# KiCad board board_deltaRenumBack.kicad_pcb (continued)
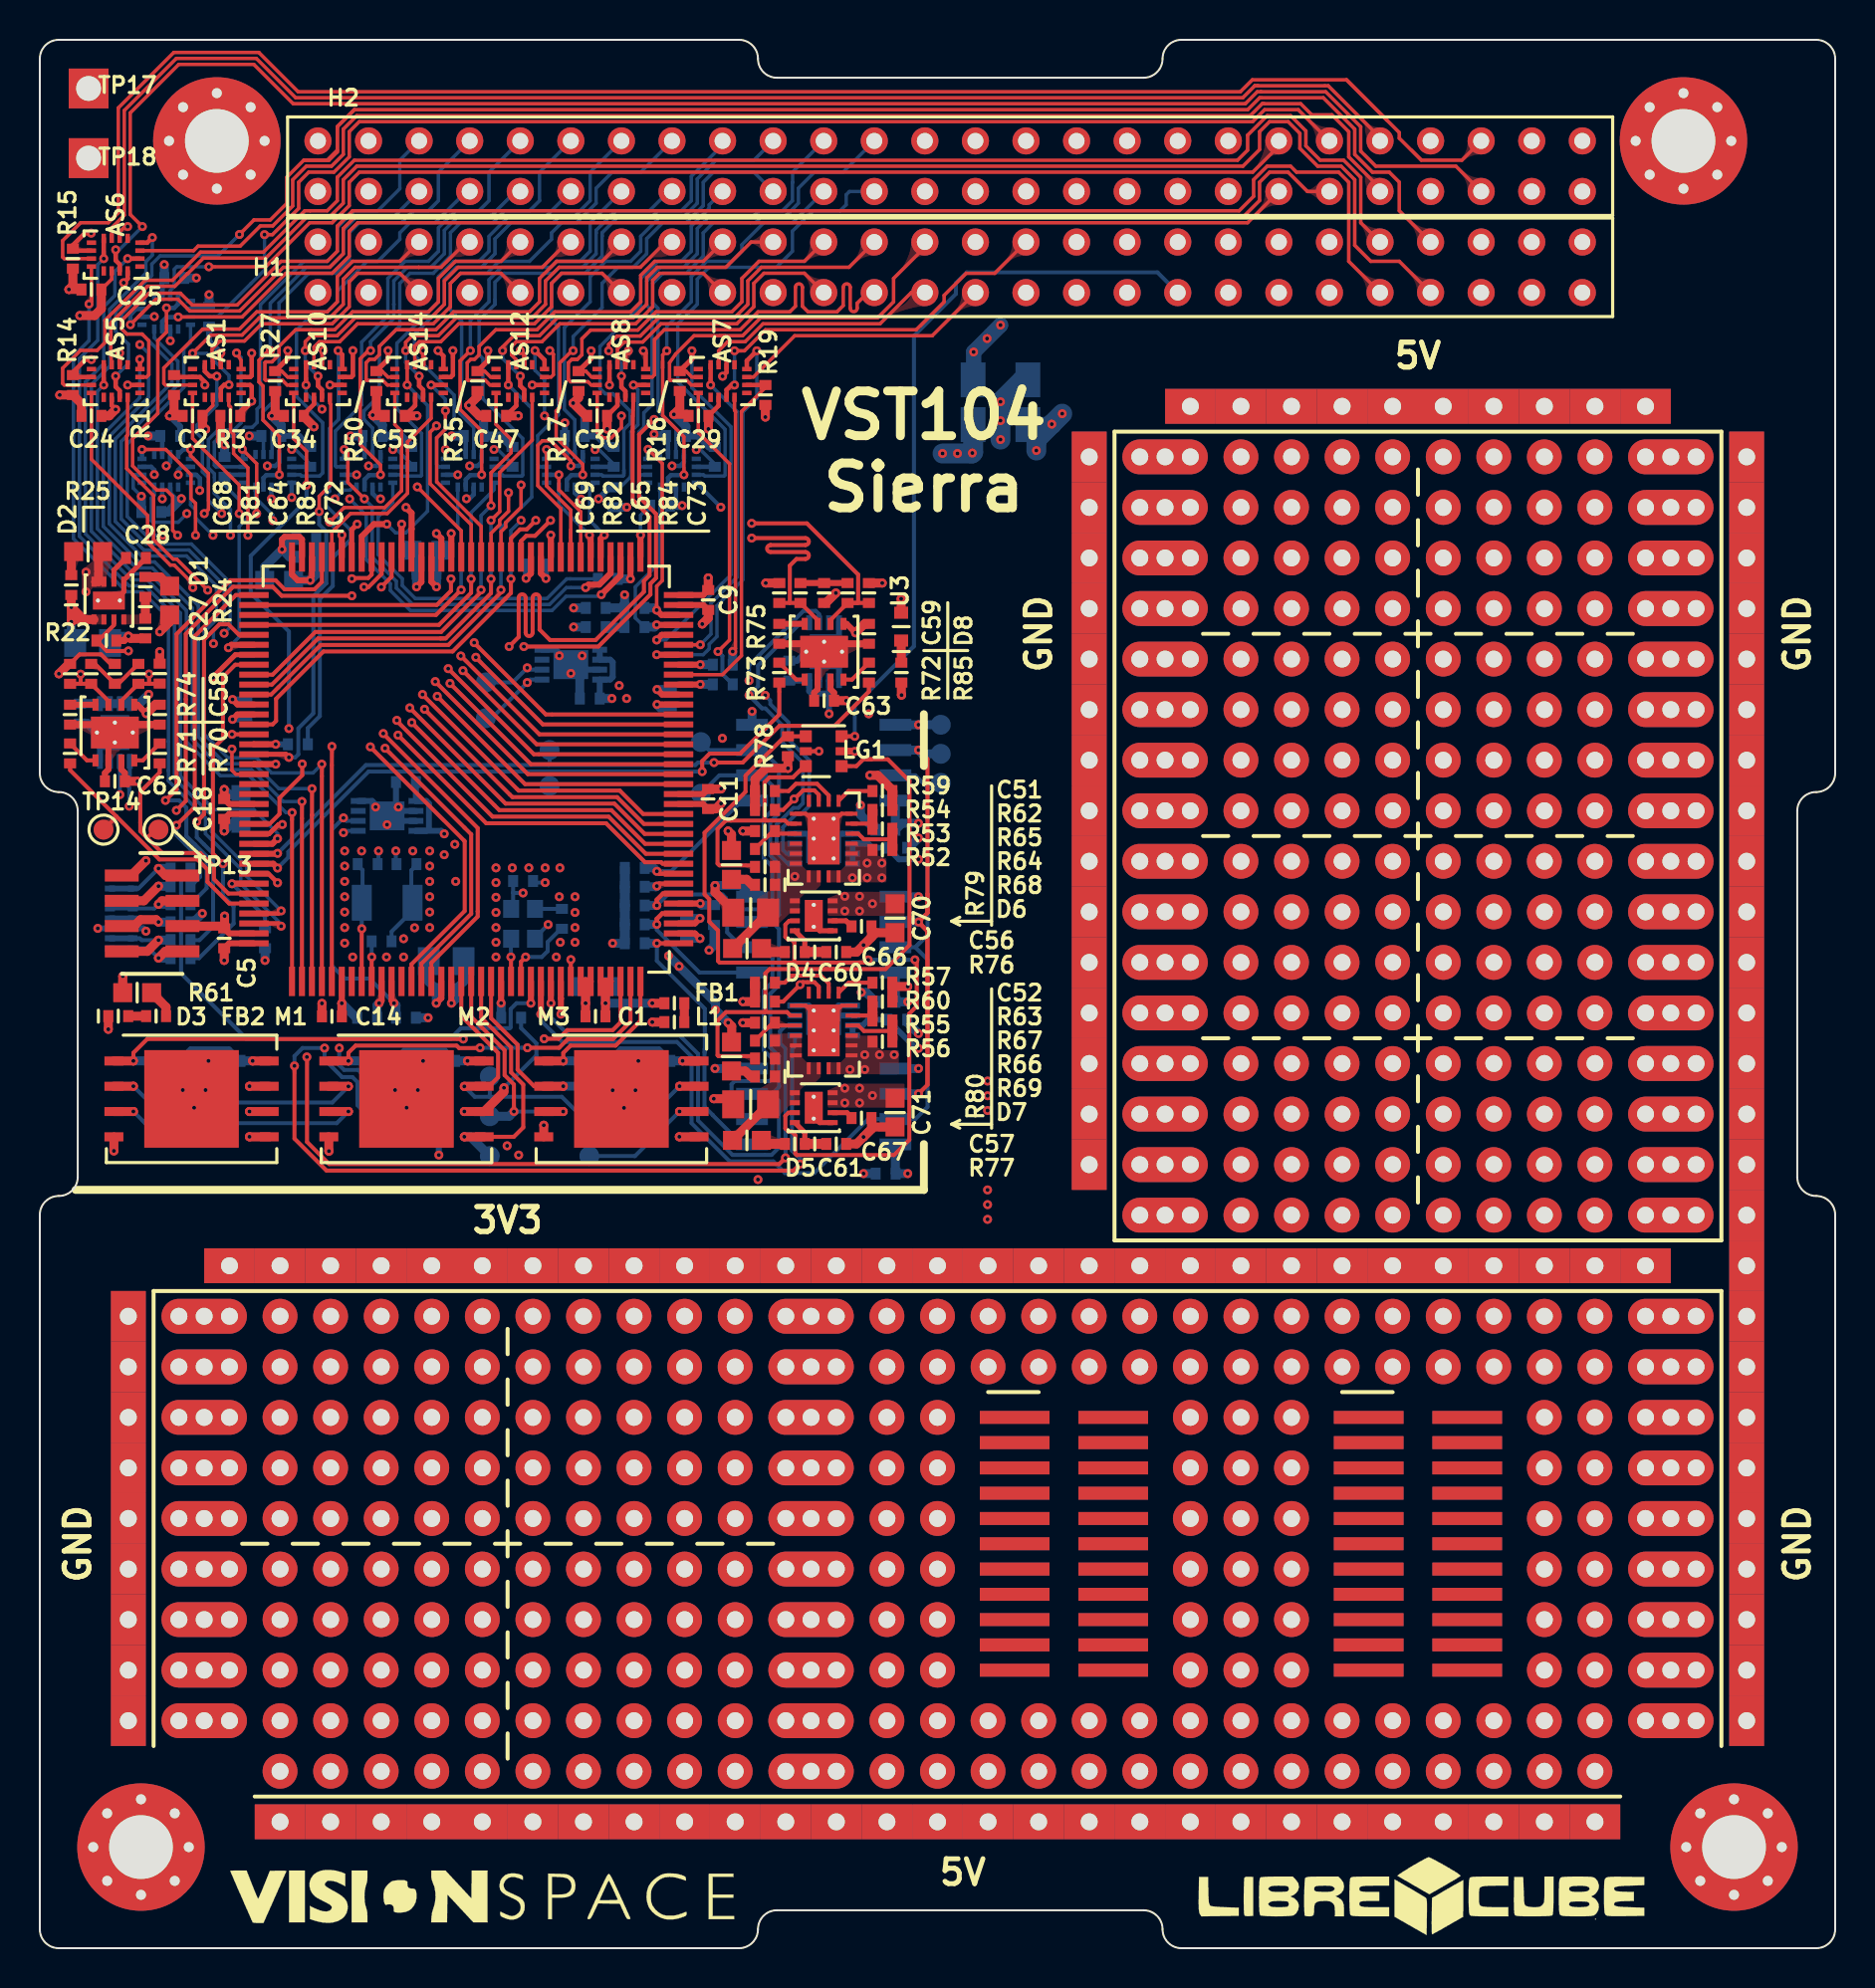
[diagram p0: board, top side]
## Routing (per net, layer and track width the routed paths; a pad name or vN(x,y) marks a point on that pad's centre or on a via; arc(x,y) is an arc through that point) (continued)
/BOOT: length 4
  Top w0.3: U1.138 9.66,53.49 v1(9.65,53.48)
  Bottom w0.2: v1(9.65,53.48) 11.31,51.82 R5.1
/CAN1_EN: length 13.7
  Top w0.2: v1(24.91,71.74) 24.46,71.29 24.12,71.29 23.67,70.84 U1.86
  Top w0.225: AS8.14 v1(29.81,78.54)
  In2.Cu w0.173: v1(24.91,71.74) 25.54,72.37 27.61,72.37 v1(28.06,72.82)
  Bottom w0.173: R20.2 29.15,73.4 29.68,73.93 29.68,76.19 30.03,76.54 30.03,78.32 v1(29.81,78.54)
  Bottom w0.3: v1(28.06,72.82) 28.64,73.4 R20.2
/CAN1_N: length 50.6
  Top w0.2: 5.49,63.53 R83.1 4.09,62.67 U2.6 ; 5.49,63.53 6.01,63.53 C72.2 ; 5.49,63.53 5.49,64.01 v1(5.48,64.02) ; uwA*****#8.1 uwA*****#7.1 ; v1(23.57,65.4) 24.05,65.88 uwA*****#8.1 ; AS8.12 29.77,76.19 29.77,72.78 30.62,71.93 30.62,68.98 30.34,68.7 30.34,68.15 27.91,65.73 25.62,65.73 25.1,66.25 uwA*****#9.1 ; uwA*****#7.1 uwA*****#9.1
  In2.Cu w0.2: v1(5.48,64.02) 5.58,64.02 7.46,62.14 7.46,61.77 10.19,59.04 17.49,59.04 23.33,64.89 23.33,65.16 v1(23.57,65.4)
/CAN1_P: length 52.2
  Top w0.2: C68.2 2.05,63.53 ; 2.05,63.53 R81.1 3.45,62.66 3.45,62.48 ; 2.05,63.53 2.05,64.01 v1(2.05,64.01) ; v1(24.31,65.4) 28.05,65.4 30.67,68.02 30.67,68.56 30.95,68.84 30.95,72.06 30.1,72.91 30.1,76.06 v1(30.85,76.81)
  Top w0.225: v1(30.31,80.26) 30.43,80.14 AS8.16
  In2.Cu w0.173: v1(30.31,80.26) 30.85,79.72 30.85,76.73 v1(30.85,76.81)
  In2.Cu w0.2: v1(24.31,65.4) 17.62,58.71 10.06,58.71 7.13,61.64 7.13,62.01 5.57,63.57 2.49,63.57 v1(2.05,64.01)
/CAN1_RX: length 12
  Top w0.2: 5.97,59.53 R70.2 6.02,59.07 5.05,58.1 5.05,56.13 5.39,55.79 ; U1.139 9.47,52.99 8.75,53.71 8.75,54.33 8.05,55.03 6.14,55.03 5.39,55.79 ; TP13.1 5.8,56.2 5.39,55.79
/CAN1_TX: length 13.6
  Top w0.2: 3.86,56.85 6.01,54.7 7.92,54.7 8.42,54.2 8.42,53.58 9.51,52.49 U1.140 ; 3.86,56.85 1.52,59.19 R71.2 ; 3.86,56.85 TP14.1
/CAN2_EN: length 12.5
  Top w0.3: U1.82 25.67,70.99 v1(25.66,71)
  In2.Cu w0.173: v1(32.97,75.29) 31.61,75.29 27.75,71.44 26.1,71.44 v1(25.66,71)
  Bottom w0.173: R21.1 33.9,74.57 33.18,75.29 v1(32.97,75.29)
  Bottom w0.225: AS9.14 R21.1
/CAN2_N: length 17.1
  Top w0.2: R84.1 39.72,66.73 U3.6 ; R84.1 C73.2 ; R84.1 41.07,67.59 41.1,67.62 41.1,69.02 38.53,71.59 v1(35.75,71.59)
  In2.Cu w0.2: v1(35.75,71.59) 32.86,74.48 31.76,74.48 v1(31.75,74.48)
  Bottom w0.225: v1(31.75,74.48) 32.15,74.48 32.35,74.67 AS9.12
/CAN2_P: length 15.4
  Top w0.2: U3.7 39.06,66.72 R82.1 C69.2 ; v1(35.75,70.85) uwA*****.1 ; uwA*****#3.1 uwA*****#2.1 ; 37.67,67.6 37.67,69.47 38,69.8 uwA*****#2.1 ; uwA*****.1 uwA*****#3.1
  In2.Cu w0.2: v1(34.2,72.4) 35.75,70.85 v1(35.75,70.85)
  Bottom w0.2: v1(34.2,72.4) 32.97,73.63 AS9.16
/CAN2_RX: length 35.4
  Top w0.2: R72.2 41.64,63.14 39.92,61.42 37.15,61.42 35.3,59.57 v1(33.86,59.57)
  Top w0.3: U1.135 11.92,54.99 v1(11.94,55.01)
  Bottom w0.2: TP15.1 25.6,59.49 ; v1(11.94,55.01) 16.37,59.44 32.93,59.44 33.05,59.57 v1(33.86,59.57)
/CAN2_TX: length 32.4
  Top w0.19: 35.17,60.02 35.2,60.05
  Top w0.2: R73.2 37.14,61.99 35.17,60.02 35.16,60.02 ; 35.16,60.02 35.17,60.02 ; 35.16,60.02 33.64,60.02 33.27,59.65 v1(33.27,59.12)
  Top w0.3: v1(11.94,54.27) 11.72,54.49 U1.136
  Bottom w0.2: v1(33.27,59.12) 16.51,59.12 12.48,55.09 12.48,54.81 v1(11.94,54.27) ; TP16.1 25.6,59.03
/CL: length 45.6
  Top w0.2: 44.58,52.96 44.58,52.18 ; 44.58,52.96 44.58,52.01 ; 44.58,52.96 44.58,59.75 v1(44.13,60.2) ; 44.58,52.18 44.58,52.02 44.12,51.56 44.58,51.1 44.58,50.87 ; 44.58,52.18 44.58,52.01 ; 44.58,51.11 44.58,50.87 ; 44.58,51.11 v1(44.13,51.56) 44.58,52.01 ; 44.58,51.11 44.58,43.38 ; 44.58,50.87 44.58,43.38 ; v1(44.13,42.93) 44.58,43.38
  In2.Cu w0.2: v1(33.61,50.14) 33.97,50.5 40.77,50.5 41.12,50.85 43.42,50.85 v1(44.13,51.56)
  Bottom w0.2: 44.12,51.56 44.12,51.56 ; TP8.1 45.23,60.01 ; 33.87,51.4 R12.1
  Bottom w0.45: v1(44.13,51.56) 42.97,51.56 M5.6 ; R12.1 33.86,50.39 v1(33.61,50.14) ; M6.6 44.13,42.93 v1(44.13,42.93) ; TP8.1 44.32,60.01 v1(44.13,60.2) 44.13,60.2 M4.6
/CLK: length 37.5
  Top w0.45: v1(21.32,42.04) 21.32,42.04 22.31,42.04 23.31,43.03 v1(23.31,43.23) ; v1(10.53,42.04) 10.53,42.04 M1.6 ; M3.6 32.13,42.04 v1(32.13,42.04)
  In2.Cu w0.2: v1(32.13,42.04) 31.86,41.77 27.22,41.77 26.5,42.49 21.77,42.49 v1(21.32,42.04) 21.06,41.78 16.43,41.78 15.72,42.49 10.98,42.49 v1(10.53,42.04)
  Bottom w0.2: R7.2 24.17,46.23 24.94,45.46 24.94,44.86 v1(23.31,43.23) ; v1(32.13,42.04) 29.89,39.8 TP3.1 27.8,39.8
/CPU_EN: length 20.7
  Top w0.173: R16.1 32.45,79.24 32.75,78.94 AS7.6
  Top w0.25: R16.1 32.75,79.85 v1(32.75,80.26)
  Top w0.3: U1.68 31.24,65.99 v1(30.98,65.73)
  Bottom w0.173: v1(32.75,80.26) 32.75,78.41 34.71,76.44 34.71,69.01 31.44,65.73 v1(30.98,65.73)
/EF1_CUR: length 20.3
  Top w0.2: R62.2 37.33,57.19 v1(37.88,57.74) 37.9,57.74 38.34,58.18 38.9,58.18 39.12,57.96 EF1.19 ; v1(26.67,49.67) 26.67,49.67 U1.29
  In2.Cu w0.2: v1(26.67,49.67) 28.62,49.67 30.53,51.58 30.53,54.43 31.75,55.64 35.78,55.64 v1(37.88,57.74)
/EF1_en: length 12.2
  Top w0.2: 36.43,56.66 37.43,56.66 37.58,56.5 EF1.2 ; 36.43,56.66 34.46,56.66 34.04,56.24 34.04,54.5 34.13,54.41 35.84,54.41 R68.2 ; 36.43,56.66 36.4,56.69 36.4,58.58 36.65,58.83 37.83,58.83 38.39,59.39 LG1.6
/EF1_out: length 10.2
  Top w0.2: 34.51,50.17 34.51,50.57 ; LG1.5 v1(39.13,60.14)
  Top w0.45: C56.2 36.58,52.01 34.96,50.39 34.96,50.36
  In2.Cu w0.2: v1(37.92,53.85) 38.33,54.26 38.33,59.34 v1(39.13,60.14)
/EF2_CUR: length 17.3
  Top w0.2: EF2.19 39.12,48.32 38.9,48.54 38.31,48.54 v1(38.18,48.41) 37.34,47.57 37.34,47.56 R63.2
  Top w0.3: U1.28 26.17,47.73 26.17,47.72 26.17,46.93 v1(26.17,46.93)
  In2.Cu w0.2: v1(26.17,46.93) 27.65,48.41 v1(38.18,48.41)
/EF2_en: length 30.8
  Top w0.2: 36.4,47.03 36.44,47.07 36.44,48.99 36.65,49.2 39.15,49.2 ; 36.4,47.03 34.46,47.03 34.04,46.61 34.04,44.87 34.08,44.82 35.8,44.82 R69.2 ; 36.4,47.03 37.53,47.03 37.7,46.86 EF2.2 ; 39.15,49.2 42.48,49.2 43.68,50.39 43.68,58.65 42.59,59.73 41.76,59.73 ; 39.15,49.2 39.84,49.2 ; 41.54,59.73 41.76,59.73 ; 41.76,59.73 41.36,59.73 41.01,59.39 LG1.1
/EF2_out: length 2.5
  Top w0.45: R77.2 36.58,42.38 C57.2
/FAULT: length 13.5
  Top w0.173: v1(34.8,65.15) 34.94,65.29 34.94,77.22 34.89,77.27 AS7.12
  Bottom w0.45: R9.2 v1(34.8,65.15)
/GLO_EN: length 18.6
  Top w0.173: R19.1 36.44,78.41 35.24,77.21 35.24,64.94 34.29,63.99 U1.64
  Top w0.225: R19.1 AS7.14
/HD: length 50
  Top w0.2: 25.17,47.5 U1.26
  Top w0.3: v1(25.16,46.93) 25.17,46.94 U1.26
  Bottom w0.2: 44.58,58.32 43.97,58.93 M4.7 ; 44.58,58.32 45.02,58.32 TP12.1 ; 44.58,58.32 44.58,50.9 43.97,50.29 ; 43.97,50.29 44.57,50.89 ; 43.97,50.29 44.58,49.68 44.58,42.27 43.97,41.66 M6.7 41.6,41.66 38.89,38.95 37.42,38.95 36.84,39.53 34.65,39.53 32.73,41.45 32.73,44.8 31.99,45.53 26.24,45.53 25.16,46.61 v1(25.16,46.93) ; 43.97,50.29 M5.7
/I2C2_EN: length 11.5
  Top w0.2: v1(9.65,60.99) 10.75,60.99 U1.123 ; Q1.3 3.72,66.48 2.94,65.7 R22.1 3.37,65.17 4.27,65.17 4.28,65.18 v1(4.45,65.18) 4.35,65.18
  In2.Cu w0.2: v1(9.65,60.99) 9.5,60.99 5.31,65.18 v1(4.45,65.18)
/I2C2_SCL: length 126.2
  Top w0.19: v1(36.43,62.95) 36.36,62.95
  Top w0.2: v1(37.45,39.71) 37.14,39.4 14.53,39.4 13.42,40.51 13.42,44.77 v1(13.41,44.78)
  Top w0.3: v1(17.79,47.48) 17.67,47.6 U1.11
  In2.Cu w0.2: v1(36.43,62.95) 35.69,63.69 v1(35.62,63.69) 34.98,63.05 32.32,63.05 31.35,64.02 30.59,64.02 29.79,64.81 28.03,64.81 27.45,65.39 25.54,65.39 v1(24.48,64.33) 24.48,64.26 24.03,63.81 24.03,63.6 18.54,58.12 16.51,58.12 15.25,56.85 v1(15.25,56.79) ; v1(17.79,47.48) 15.54,45.23 v1(15.04,45.23) 14.59,44.77 13.42,44.77 v1(13.41,44.78) 13.07,45.12 10.8,45.12 7.38,48.54 7.38,53.5 4.02,56.86 v1(4.02,57.96)
  Bottom w0.19: v1(36.43,62.95) 36.69,62.69 36.69,62.51 37.6,61.59 37.6,60.73 38.64,59.68 38.64,57.39 38.23,56.98 37.98,56.98 37.32,56.32 37.32,55.17 37.5,54.99 TS6.2
  Bottom w0.2: v1(4.02,57.96) TS7.2 ; TS4.2 24.57,64.24 v1(24.48,64.33) 23.75,63.6 TP1.1 ; v1(37.45,39.71) 37.45,39.71 37.45,45.2 37.17,45.47 37.17,46.08 37.46,46.36 TS3.2 ; v1(35.62,63.69) 35.62,64.45 38.36,67.19 38.97,67.19 39.14,67.02 TS5.2 ; TS1.2 16.39,42.42 16.36,42.45 16.36,43.75 15.99,44.13 15.28,44.13 15.04,44.37 v1(15.04,45.23) ; v1(17.79,47.48) 16.55,48.72 15.31,48.72 14.65,49.38 14.65,56.19 v1(15.25,56.79) 15.4,56.64 TS2.2
  Bottom w0.45: v1(17.79,47.48) 17.89,47.38 R23.2
/I2C2_SDA: length 130.2
  Top w0.2: v1(12.79,44.33) 12.79,40.68 14.4,39.07 37.86,39.07 v1(38.19,39.4)
  Top w0.3: U1.10 17.17,47.61 v1(17.04,47.48)
  In2.Cu w0.2: 29.66,64.48 26.9,64.48 ; 29.66,64.48 30.45,63.69 ; 29.66,64.48 30.45,63.69 ; 29.66,64.48 26.9,64.48 ; 26.9,64.48 26.89,64.5 26.33,64.5 26.31,64.48 25.81,64.48 25.78,64.51 25.4,64.51 v1(24.48,63.59) 18.68,57.79 16.65,57.79 15.8,56.94 15.8,56.6 v1(15.25,56.05) 15.05,56.05 14.65,55.65 14.65,49.39 15.32,48.72 15.8,48.72 v1(17.04,47.48) 15.24,45.68 14.75,45.68 v1(14.3,45.23) 14.08,45.45 10.94,45.45 7.71,48.68 7.71,53.91 4.49,57.13 v1(4.49,57.38) ; 30.45,63.69 31.22,63.69 32.19,62.72 35.39,62.72 v1(35.62,62.95)
  Bottom w0.19: 36.28,62.29 36.44,62.29 37.28,61.45 37.28,60.6 38.33,59.55 38.33,57.53 38.09,57.29 37.85,57.29 37.01,56.45 37.01,55.04 37.55,54.49 TS6.1 ; 36.28,62.29 36.05,62.52 ; 36.28,62.29 v1(35.62,62.95)
  Bottom w0.2: v1(4.49,57.38) 4.49,58.33 4.43,58.39 4.43,58.85 4.52,58.94 TS7.1 ; v1(12.79,44.33) 12.79,44.82 13.2,45.23 14.3,45.23 v1(14.3,45.23) 14.3,44.65 15.18,43.77 15.7,43.77 15.95,43.52 15.95,42.36 16.39,41.92 TS1.1 ; 36.05,62.52 v1(35.62,62.95) 36.07,63.4 36.07,64.44 38.22,66.59 TS5.1 ; TP2.1 22.69,61.8 v1(24.48,63.59) 24.63,63.74 TS4.1 ; TS3.1 37.92,45.31 37.78,45.17 37.78,40.07 38.19,39.66 v1(38.19,39.4) ; v1(15.25,56.05) 15.34,56.14 TS2.1
  Bottom w0.45: v1(17.04,47.48) 16.94,47.38 R26.2
/I2C3_EN: length 18.8
  Top w0.173: AS8.6 27.72,78.94 27.42,79.24 R17.1
  Top w0.2: U1.85 24.17,70.7 24.43,70.96 24.87,70.96 v1(25.65,71.74)
  Top w0.25: R17.1 27.69,79.87 v1(27.69,80.26)
  In2.Cu w0.173: v1(27.69,80.26) 28.13,79.82 29.6,79.82 30.55,78.87 30.55,77.9 29.68,77.04 29.68,73.79 27.63,71.74 v1(25.65,71.74)
/I2C3_SCL: length 22.2
  Top w0.225: AS8.4 v1(28.61,78.54)
  Top w0.3: U1.92 20.67,71.07 v1(20.66,71.08)
  In2.Cu w0.173: v1(28.61,78.54) 26.25,78.54 24.91,77.2 24.91,73.19 23.4,71.68 23.4,71.41 ; 23.4,71.41 22.99,71 20.74,71 v1(20.66,71.08) ; 23.4,71.41 23.8,71 24.31,71 26.16,69.15 26.16,67.99 v1(26.81,67.34)
  Bottom w0.45: R40.2 v1(26.81,67.34)
/I2C3_SDA: length 34.8
  Top w0.173: AS8.8 27.99,76.18 28.28,75.89 28.7,75.89 29.21,76.4 v1(29.21,76.99)
  Top w0.3: v1(19.92,71.08) 20.17,70.83 U1.93
  In2.Cu w0.173: v1(26.81,66.38) 25.86,67.33 25.86,69.03 24.25,70.64 20.36,70.64 v1(19.92,71.08) 20.36,71.52 20.87,71.52 21.09,71.3 22.87,71.3 23.1,71.53 23.1,71.8 24.61,73.31 24.61,77.32 26.71,79.42 29.57,79.42 30.25,78.75 30.25,78.03 v1(29.21,76.99)
  Bottom w0.45: R39.2 v1(26.81,66.38)
/I2C4_EN: length 4.9
  Top w0.3: U1.73 30.17,71 v1(30.17,71)
  Bottom w0.173: AS9.6 30.2,74.03 30.09,73.91 30.09,73.04 R18.1 30.17,72 v1(30.17,71)
/I2C4_SCL: length 9.5
  Top w0.3: U1.69 30.98,66.49 v1(30.98,66.49)
  Bottom w0.173: R42.2 29.91,66.84 29.91,68.4 31.15,69.64 AS9.4
  Bottom w0.45: v1(30.98,66.49) 30.87,66.38 R42.2
/I2C4_SDA: length 10.8
  Top w0.173: v1(30.98,67.23) 30.98,68.43 31.26,68.71 31.26,74.6 v1(30.55,75.31)
  Top w0.3: U1.70 31.22,66.99 v1(30.98,67.23)
  Bottom w0.225: AS9.8 30.53,75.29 v1(30.55,75.31)
  Bottom w0.45: R41.2 30.87,67.34 v1(30.98,67.23)
/MODE: length 16.5
  Top w0.173: v1(33.17,65.49) 33.17,65.49 U1.67
  Top w0.225: AS7.4 v1(33.69,78.54)
  Bottom w0.173: v1(33.69,78.54) 35.01,77.22 35.01,68.88 33.71,67.58 33.71,66.03 v1(33.17,65.49)
/OSC32_IN: length 6
  Top w0.2: U1.8 16.17,51.22 v1(16.17,51.22)
  Bottom w0.2: v1(16.17,51.22) Y1.1 16.21,52.57 16.21,54.17 15.97,54.41 C49.1
/OSC32_OUT: length 2
  Top w0.2: U1.9 16.67,49.8 v1(16.67,49.8)
  Bottom w0.2: v1(16.67,49.8) 16.67,49.8 R49.2
/OSC_EN: length 4
  Top w0.2: U1.24 24.17,49.57 v1(24.4,49.8)
  Bottom w0.2: R58.1 26.17,51.22 25.5,50.55 25.5,50.1 25.21,49.8 v1(24.4,49.8)
/OSC_IN: length 2.2
  Top w0.2: v1(23.66,49.8) 23.67,49.79 U1.23
  Bottom w0.2: 23.67,49.81 v1(23.66,49.8) 23.66,50.71 Y2.3
/Q0: length 36.6
  Top w0.2: 22.31,40.77 23.81,40.77 24.28,41.24 24.28,43.39 23.67,44 23.67,45.25 22.17,46.76 U1.20
  Top w0.45: v1(32.12,40.77) 32.12,40.77 M3.5 ; 22.31,40.77 21.32,40.77 v1(21.32,40.77) ; M1.5 10.53,40.77 v1(10.53,40.77)
  In2.Cu w0.2: v1(32.12,40.77) v1(21.32,40.77) v1(10.53,40.77)
  Bottom w0.45: v1(21.32,40.77) 21.63,40.77 TP4.1
/Q1: length 34.4
  Top w0.2: U1.21 22.67,46.72 24,45.39 24,44.14 24.83,43.31 M3.2
  Top w0.45: M3.2 26.29,43.31 v1(26.29,43.31) ; v1(15.5,43.3) 15.49,43.31 M2.2 ; v1(4.7,43.31) 4.7,43.31 M1.2
  In2.Cu w0.2: v1(15.5,43.3) 16.1,43.9 25.7,43.9 v1(26.29,43.31)
  Bottom w0.2: v1(4.7,43.31) 6.23,41.78 8.33,41.78 9.04,42.49 14.69,42.49 v1(15.5,43.3)
  Bottom w0.45: TP5.1 27.29,43.31 v1(26.29,43.31)
/Q2: length 34.2
  Top w0.2: U1.19 21.67,46.8 23.34,45.12 23.34,43.86 23.81,43.4 v1(23.81,42.04)
  Top w0.45: v1(4.7,42.04) 4.7,42.04 M1.3 ; v1(15.5,42.04) 15.5,42.04 M2.3 ; M3.3 v1(26.29,42.04)
  In2.Cu w0.2: v1(23.81,42.04) 23.22,41.45 16.09,41.45 v1(15.5,42.04)
  Bottom w0.2: v1(15.5,42.04) 14.91,41.45 5.29,41.45 v1(4.7,42.04) ; v1(23.81,42.04) v1(26.29,42.04)
  Bottom w0.45: TP6.1 23.57,41.8 v1(23.81,42.04)
/Q3: length 33.9
  Top w0.2: U1.18 21.17,46.83 23.02,44.98 23.02,43.76 22.57,43.31 22.31,43.31
  Top w0.45: 22.31,43.31 21.33,43.31 v1(21.32,43.3) ; M1.7 10.53,43.31 v1(10.53,43.31) ; M3.7 32.13,43.31 v1(32.13,43.31)
  In2.Cu w0.2: v1(10.53,43.31) 10.99,42.85 15.87,42.85 16.59,43.57 21.05,43.57 v1(21.32,43.3)
  Bottom w0.2: 22.58,42.78 26.21,42.78 27.22,41.77 30.59,41.77 v1(32.13,43.31) ; 22.58,42.78 21.84,42.78 v1(21.32,43.3) ; 22.58,42.78 22.6,42.8 TP7.1
/QSPI_~{CS}_1: length 29.8
  Top w0.2: v1(25.33,45.69) 26.06,45.69 26.49,46.13 28.77,46.13 29.17,46.52 U1.34 ; v1(21.27,45.68) 5.39,45.68 4.7,44.99 v1(4.7,44.58)
  Top w0.45: M1.1 4.7,44.58 v1(4.7,44.58)
  In2.Cu w0.2: v1(21.27,45.68) 21.28,45.69 v1(25.33,45.69)
  Bottom w0.45: R29.2 v1(4.7,44.58)
/QSPI_~{CS}_2: length 19.6
  Top w0.2: v1(22.11,45.24) 22.1,45.23 21.05,45.23 20.93,45.35 15.86,45.35 15.5,44.99 v1(15.5,44.58) ; U1.35 29.67,46.56 28.78,45.68 26.52,45.68 26.08,45.24 v1(24.49,45.24)
  Top w0.45: M2.1 15.5,44.58 v1(15.5,44.58)
  Bottom w0.2: v1(22.11,45.24) v1(24.49,45.24)
  Bottom w0.45: R30.2 v1(15.5,44.58)
/QSPI_~{CS}_3: length 9.2
  Top w0.2: U1.36 30.17,46.6 28.92,45.35 26.65,45.35 26.29,44.99 v1(26.29,44.58)
  Top w0.45: M3.1 26.29,44.58 v1(26.29,44.58)
  Bottom w0.45: R31.2 v1(26.29,44.58)
/SI: length 41.3
  Top w0.225: v1(30.99,53.36) 31.11,53.49 U1.43
  In2.Cu w0.2: v1(44.13,61.47) 44.58,61.02 44.58,53.28 v1(44.13,52.83) ; v1(44.13,52.83) 44.58,52.38 44.58,44.65 v1(44.13,44.2) ; v1(44.13,52.83) 42.48,51.18 40.99,51.18 40.68,50.87 33.97,50.87 33.54,51.29 32.74,51.29 30.99,53.05 v1(30.99,53.36)
  Bottom w0.2: 45.23,61.47 v1(44.13,61.47)
  Bottom w0.3: M5.5 43.62,52.83
  Bottom w0.45: v1(44.13,52.83) 44.13,52.83 M5.5 ; M4.5 44.13,61.47 v1(44.13,61.47) TP9.1 ; v1(30.99,53.36) 30.95,53.33 R37.2 ; M6.5 44.13,44.2 v1(44.13,44.2)
/SO: length 35.4
  Top w0.225: U1.42 31.3,52.99 30.99,52.68 v1(30.99,52.39)
  Bottom w0.2: M4.2 34.13,58.93 TP10.1 ; M4.2 36.27,58.93 ; M4.2 36.27,58.93 36.8,58.4 36.8,57.18 36.36,56.74 36.36,54.77 36.8,54.33 36.8,52.35 36.65,52.2 34.9,52.2 ; M5.2 35.27,50.29 34.52,51.04 34.52,51.82 34.9,52.2 ; M5.2 36.27,50.29 36.8,49.76 36.8,48.54 36.36,48.1 36.36,45.12 36.8,44.68 36.8,43.71 36.65,43.57 34.91,43.57 34.74,43.41 34.74,42.21 35.29,41.66 M6.2 ; M5.2 36.27,50.29 ; 34.9,52.2 34.45,52.65 34.45,52.78 34.29,52.94 31.54,52.94 v1(30.99,52.39)
  Bottom w0.45: R38.2 v1(30.99,52.39)
/SPI1_~{CS}_1: length 8.1
  Top w0.225: v1(30.99,54.11) 31.11,53.99 U1.44
  Bottom w0.2: M4.1 35.26,57.66 31.71,54.11 v1(30.99,54.11)
  Bottom w0.45: v1(30.99,54.11) 30.82,54.28 R32.2
/SPI1_~{CS}_2: length 8.1
  Top w0.225: v1(30.99,51.44) 30.99,51.72 31.26,51.99 U1.40
  Bottom w0.2: M5.1 33.13,49.02 30.99,51.16 v1(30.99,51.44) ; R33.2 30.43,51.44
  Bottom w0.45: R33.2 v1(30.99,51.44)
/SPI1_~{CS}_3: length 14.3
  Top w0.2: v1(30.99,50.49) 30.99,50.49 U1.37
  Bottom w0.2: 33.39,45.01 33.39,42.27 33.79,41.87 33.79,41.86 35.26,40.39 M6.1 ; 33.39,45.01 33.39,45.19 ; 33.39,45.01 33.4,45.03 33.4,47.2 30.99,49.61 v1(30.99,50.49)
  Bottom w0.45: R34.2 v1(30.99,50.49)
/SPI1_~{WP}: length 46.9
  Top w0.3: U1.27 25.67,47.48 v1(25.67,47.48)
  Bottom w0.173: 26.45,46 25.67,46.78 v1(25.67,47.48)
  Bottom w0.2: M5.3 36.77,51.56 ; 36.77,51.56 37.12,51.21 37.12,48.39 36.68,47.95 36.68,45.25 37.12,44.82 37.12,44.82 37.12,43.28 36.77,42.93 ; 36.77,51.56 37.12,51.92 37.12,54.46 36.68,54.9 36.68,56.59 37.12,57.03 37.12,59.35 36.27,60.2 M4.3 33.6,60.2 TP11.1 ; v1(25.67,47.48) 25.67,46.76 26.57,45.86 32.13,45.86 33.06,44.93 33.06,41.59 34.79,39.86 36.75,39.86 37.12,40.23 37.12,42.57 36.77,42.92 36.77,42.93 ; M6.3 36.77,42.93
/SPI2_CS1: length 7.7
  Top w0.3: U1.96 18.67,71.3 18.67,71.31 18.67,72.11 v1(18.39,72.39)
  In2.Cu w0.173: v1(18.39,72.39) 18.39,72.38 15.26,72.38 v1(14.82,72.82)
  Bottom w0.173: AS11.4 15.73,73.41 15.58,73.26 15.26,73.26 v1(14.82,72.82)
/SPI2_CS2: length 38.2
  Top w0.2: U1.53 24.37,58.49 v1(19.96,62.9)
  Top w0.225: AS1.4 8.29,79.23 8.54,78.98 v1(8.89,78.98)
  In2.Cu w0.173: v1(9.14,72.08) 9.14,70.79 14.26,65.67 14.26,65.66 14.33,65.59 14.51,65.41 17.45,65.41 v1(19.96,62.9)
  Bottom w0.17: 8.47,73.68 8.47,73.68 8.47,72.75 v1(9.14,72.08)
  Bottom w0.173: v1(8.89,78.98) 8.89,77.53 7.89,76.53 7.89,76.12 8.17,75.84 8.17,74.18 8.47,73.88 8.47,73.68
/SPI2_EN: length 12.4
  Top w0.173: v1(18.96,73.42) 21.17,71.21 U1.91
  In2.Cu w0.173: v1(15.91,74.03) 15.91,74.52 16.68,75.29 v1(17.73,75.29) 18.96,74.06 v1(18.96,73.42)
  Bottom w0.173: v1(17.73,75.29) 17.94,75.29 18.66,74.57 R28.1
  Bottom w0.225: AS11.6 v1(15.91,74.03) ; AS11.14 R28.1
/SPI2_MISO: length 22.2
  Top w0.3: U1.75 29.17,68.98 v1(28.2,68.01)
  In2.Cu w0.173: v1(15.56,72.82) 16.51,73.77 v1(16.51,74.48)
  Bottom w0.173: v1(28.2,68.01) 28.11,67.92 26.43,67.92 25.72,67.21 18.61,67.21 17.61,68.22 17.61,68.56 16.39,69.77 16.39,71.99 v1(15.56,72.82)
  Bottom w0.225: AS11.12 17.11,74.67 16.91,74.48 v1(16.51,74.48)
/SPI2_MOSI: length 21.1
  Top w0.173: v1(15.29,75.3) 15.47,75.12 15.47,73.65 v1(16.3,72.82)
  Top w0.3: v1(27.41,68.36) 27.56,68.51 28.1,68.51 28.67,69.08 U1.76
  Bottom w0.173: v1(16.3,72.82) 16.69,72.43 16.69,69.9 17.91,68.68 17.91,68.34 18.74,67.51 25.6,67.51 26.45,68.36 v1(27.41,68.36)
  Bottom w0.225: AS11.8 15.29,75.3 v1(15.29,75.3)
/SPI2_SCK: length 16.5
  Bottom w0.173: AS11.16 17.73,72.65 16.99,71.91 16.99,70.02 18.21,68.8 18.21,68.46 18.86,67.81 25.47,67.81 26.46,68.8 R13.1
/SPI3_CS1: length 14.7
  Top w0.225: AS10.4 v1(13.37,78.54)
  Top w0.3: v1(18.17,71.55) 18.17,71.55 U1.97
  In2.Cu w0.173: v1(18.17,71.55) 18.49,71.55 19.4,72.46 19.4,74.99 16.84,77.55 14.4,77.55 v1(14.17,77.33)
  Bottom w0.173: v1(14.17,77.33) 13.37,78.13 v1(13.37,78.54)
/SPI3_CS2: length 27.9
  Top w0.2: v1(21.14,64.93) 21.19,64.88 21.2,64.88 25.09,60.99 U1.58
  In2.Cu w0.173: v1(21.14,64.93) 19.16,66.91 15.21,66.91 14.51,67.62 14.51,69.35 12.12,71.73 v1(11.7,71.73)
  Bottom w0.173: v1(11.7,71.73) 11.7,72.01 10.83,72.88 AS2.4
/SPI3_EN: length 20
  Top w0.173: U1.90 21.67,71.52 19.6,73.58 19.6,76.17 v1(19.92,76.49) ; R27.1 12.15,79.24 12.45,78.94 AS10.6
  Top w0.225: AS10.14 v1(14.57,78.54)
  Top w0.25: v1(12.45,80.27) 12.45,79.87 R27.1
  In2.Cu w0.173: v1(12.45,80.27) 12.89,79.83 13.77,79.83 14.57,79.04 v1(14.57,78.54) 17.73,78.54 18.84,77.43 19.15,77.43 19.92,76.66 v1(19.92,76.49)
/SPI3_MISO: length 21.3
  Top w0.173: AS10.12 14.57,77.62 14.61,77.58 14.61,73.53 14.03,72.95 v1(14.03,72.18)
  Top w0.25: U1.125 12.35,59.99 v1(12.51,59.83)
  Bottom w0.2: v1(14.03,72.18) 14.03,71.54 14.39,71.18 14.39,68.58 13.74,67.93 13.74,62.04 12.98,61.29 12.98,59.98 12.83,59.83 v1(12.51,59.83)
/SPI3_MOSI: length 22.3
  Top w0.173: AS10.8 12.75,75.85 13.4,75.2 v1(13.4,73.51)
  Top w0.3: U1.126 10.76,59.49 v1(11.85,59.49)
  In2.Cu w0.2: v1(11.85,59.49) 11.85,59.82 12.51,60.48 v1(12.51,61.28)
  Bottom w0.2: 13.41,73.5 v1(13.4,73.51) 13.4,72.76 10.59,69.95 10.59,68.07 12.51,66.16 v1(12.51,61.28)
/SPI3_SCK: length 28
  Top w0.225: v1(14.98,80.27) 15.19,80.06 AS10.16
  Bottom w0.173: 15.01,77.98 15.01,76.82 ; 15.01,77.98 15.01,80.24 ; 15.01,77.98 15.01,78.33 ; 15.01,76.82 14.55,76.35 14.55,73.2 14.38,73.03 14.38,72.48 15.61,71.25 15.61,70.77 14.71,69.88 ; 15.01,76.82 15.01,80.24 ; 15.01,80.24 v1(14.98,80.27)
  Bottom w0.2: R6.2 13.46,61.31 14.06,61.91 14.06,67.79 14.71,68.44 14.71,69.88 15.62,70.78 15.62,71.2 15.59,71.23
/SYNC: length 21
  Top w0.225: v1(36.01,80.26) 35.51,79.76 AS7.16
  Top w0.3: U1.66 30.98,64.99 v1(30.98,64.99)
  Bottom w0.173: v1(30.98,64.99) 33.32,64.99 33.62,65.29 33.62,65.52 34.01,65.9 34.01,67.45 35.31,68.76 35.31,77.18 36.01,77.88 v1(36.01,80.26)
/TEMP_VDD: length 161.2
  Top w0.45: R25.1 2.95,69.97 2.95,68.66 2.8,68.66
  In2.Cu w0.45: 22.86,39.86 v1(23.47,40.31) v1(24.05,39.85) ; v1(24.05,39.85) 24.05,39.85 v1(20.04,39.85) ; v1(24.05,39.85) 25.28,38.62 v1(36.07,38.62) ; v1(28.73,62.79) v1(29.1,63.44) v1(29.47,62.79) ; v1(28.73,62.79) 26.08,60.14 23.63,60.14 20.31,56.82 v1(20.31,55.99) ; v1(28.73,62.79) v1(29.47,62.79) ; v1(29.47,62.79) 30.7,61.56 36.13,61.56 36.58,62.02 v1(39.64,62.02) ; v1(20.31,55.99) v1(20.84,55.46) v1(20.31,54.94) v1(20.31,55.99) ; v1(41.63,62.02) 43.55,60.1 43.55,55.29 v1(44.13,54.71)
  In3.Cu w0.45: v1(24.05,39.85) v1(23.47,40.31) 22.69,41.1 22.69,46.32 20.31,48.69 v1(20.31,54.94) ; 20.09,66.8 20.03,66.74 ; 20.09,66.8 20.01,66.72 7.65,66.72 ; 20.09,66.8 20.53,67.24 25.13,67.24 26.57,65.8 27.22,65.8 29.1,63.93 v1(29.1,63.44) ; v1(29.1,63.44) v1(29.47,62.79) v1(28.73,62.79) v1(29.1,63.44) ; v1(44.13,45.21) 44.71,44.63 44.71,42.65 41.55,39.5 39.14,39.5 38.26,38.62 v1(36.07,38.62) ; v1(2.32,69.14) 2.32,68.15 v1(2.32,68.15) ; 7.01,66.72 7.33,66.4 7.33,66.4 ; 7.01,66.72 7.65,66.72 ; 7.01,66.72 3.06,66.72 2.32,67.46 2.32,68.22 ; 7.65,66.72 7.33,66.4 ; 7.33,66.4 7.33,63.53 6.8,63 v1(5.47,63) ; v1(20.31,54.94) 20.83,55.46 v1(20.84,55.46) 20.84,55.46 v1(20.31,55.99) v1(20.31,54.94) ; v1(39.64,62.02) v1(41.63,62.02)
  Bottom w0.3: C46.1 TS7.5 TS7.6 TS7.7 TS7.8 5,62.53 ; 39.64,62.98 39.58,63.04 38.77,63.04 38.64,63.17 TS5.8 C38.1 ; 39.64,62.98 TS5.6 39.65,63.68 ; 39.64,62.98 v1(39.64,62.02) ; 20.04,39.85 v1(20.04,39.85) C32.1 20.04,41.41 19.87,41.58 TS1.8 ; 41.61,55.49 TS6.6 ; TS6.8 TS6.7 TS6.6 ; v1(44.13,54.71) 43.15,54.71 C45.1 ; v1(20.31,55.99) 20.16,56.14 TS2.8 19.41,56.14 ; C37.2 TS4.8 28.64,63.74 28.77,63.87 28.77,64.61 28.64,64.74 TS4.6 TS4.5 ; v1(44.13,45.21) 44.01,45.21 C36.1 41.61,46.65 41.32,46.36 TS3.7 TS3.8 ; C45.1 41.81,55.29 41.61,55.49 TS6.6 ; C45.1 42.47,55.19 ; C33.1 TS2.5 19.41,57.64 19.54,57.51 19.54,56.27
  Bottom w0.45: C37.2 v1(28.73,62.79) ; C46.1 5,62.53 v1(5.47,63)
/UART1_CTS: length 12.2
  Top w0.173: 14.63,71.73 15.28,72.38 17.32,72.38 18.17,73.23 18.17,76.22 17.83,76.55 AS14.8 ; 14.63,71.73 v1(14.55,71.65) ; 14.63,71.73 14.6,71.7
  Top w0.3: U1.103 15.17,71 v1(15.17,71)
  Bottom w0.173: v1(14.55,71.65) 14.55,71.62 v1(15.17,71) 14.6,71.57
/UART1_EN: length 16.2
  Top w0.173: R50.1 17.18,79.24 17.48,78.94 AS14.6 ; v1(20.37,77.25) 20.37,76.32 19.93,75.88 19.93,73.68 22.17,71.44 U1.89
  Top w0.225: AS14.14 v1(19.65,78.54)
  Top w0.25: R50.1 17.49,79.83 v1(17.49,80.27)
  In2.Cu w0.173: v1(17.49,80.27) 18.34,79.42 19.26,79.42 19.65,79.04 v1(19.65,78.54)
  Bottom w0.173: v1(20.37,77.25) 20.37,77.82 v1(19.65,78.54)
/UART1_RST: length 11.2
  Top w0.173: AS14.12 19.65,76.87 18.47,75.69 18.47,73.11 17.44,72.08 15.6,72.08 14.67,71.14 U1.104
/UART1_RX: length 16
  Top w0.225: v1(20,80.27) 20.27,80 AS14.16
  Top w0.25: U1.102 15.67,71.28 v1(15.94,71.55)
  In2.Cu w0.173: v1(15.94,71.55) 16.38,71.11 18.48,71.11 19.93,72.57 19.93,75.88 20.81,76.76 20.81,79.46 v1(20,80.27)
/UART1_TX: length 13
  Top w0.173: AS14.4 v1(18.45,78.54)
  Top w0.3: v1(17.43,71.55) 16.78,71.55 16.17,70.94 U1.101
  Bottom w0.173: v1(18.45,78.54) 19.47,77.52 19.47,72.2 18.38,71.11 17.87,71.11 v1(17.43,71.55)
/UART2_CTS: length 24.1
  Top w0.173: AS12.8 22.91,76.56 23.67,75.81 23.67,75.14 22.66,74.13 v1(22.66,72.48)
  Top w0.2: v1(22.16,68.25) 22.16,68.14 20.16,66.13 13.84,66.13 11.69,63.99 U1.117
  Bottom w0.173: v1(22.16,68.25) 22.16,71.98 v1(22.66,72.48)
/UART2_EN: length 15.9
  Top w0.173: R35.1 22.34,79.24 22.64,78.94 AS12.6 ; U1.87 23.17,71.17 23.4,71.41 23.4,71.63 24.17,72.4 v1(24.17,73.52)
  Top w0.225: v1(24.73,78.54) AS12.14
  Top w0.25: v1(22.5,80.27) 22.5,79.76 R35.1
  In2.Cu w0.173: v1(24.17,73.52) 23.59,74.1 23.59,77.4 v1(24.73,78.54) 24.73,79.04 24.34,79.42 23.35,79.42 v1(22.5,80.27)
/UART2_RST: length 24.7
  Top w0.173: v1(22.66,71.74) 23.1,72.18 23.1,74.14 24.73,75.78 AS12.12
  Top w0.2: U1.118 11.65,63.49 13.97,65.81 20.12,65.81 ; 20.12,65.81 20.29,65.81 ; 20.12,65.81 20.39,65.81 22.66,68.08 v1(22.66,68.8)
  Bottom w0.173: v1(22.66,68.8) v1(22.66,71.74)